# Altium PCB 机器人.PcbDoc (part 9 of 14)
Units mm, origin at the board's own origin, x right, y up, seen from the top; angles counter-clockwise.
Board outline 84 x 74 mm, 2 copper layers (Top Layer, Bottom Layer); 122 components, 143 nets, 23128 pads, 621 vias.
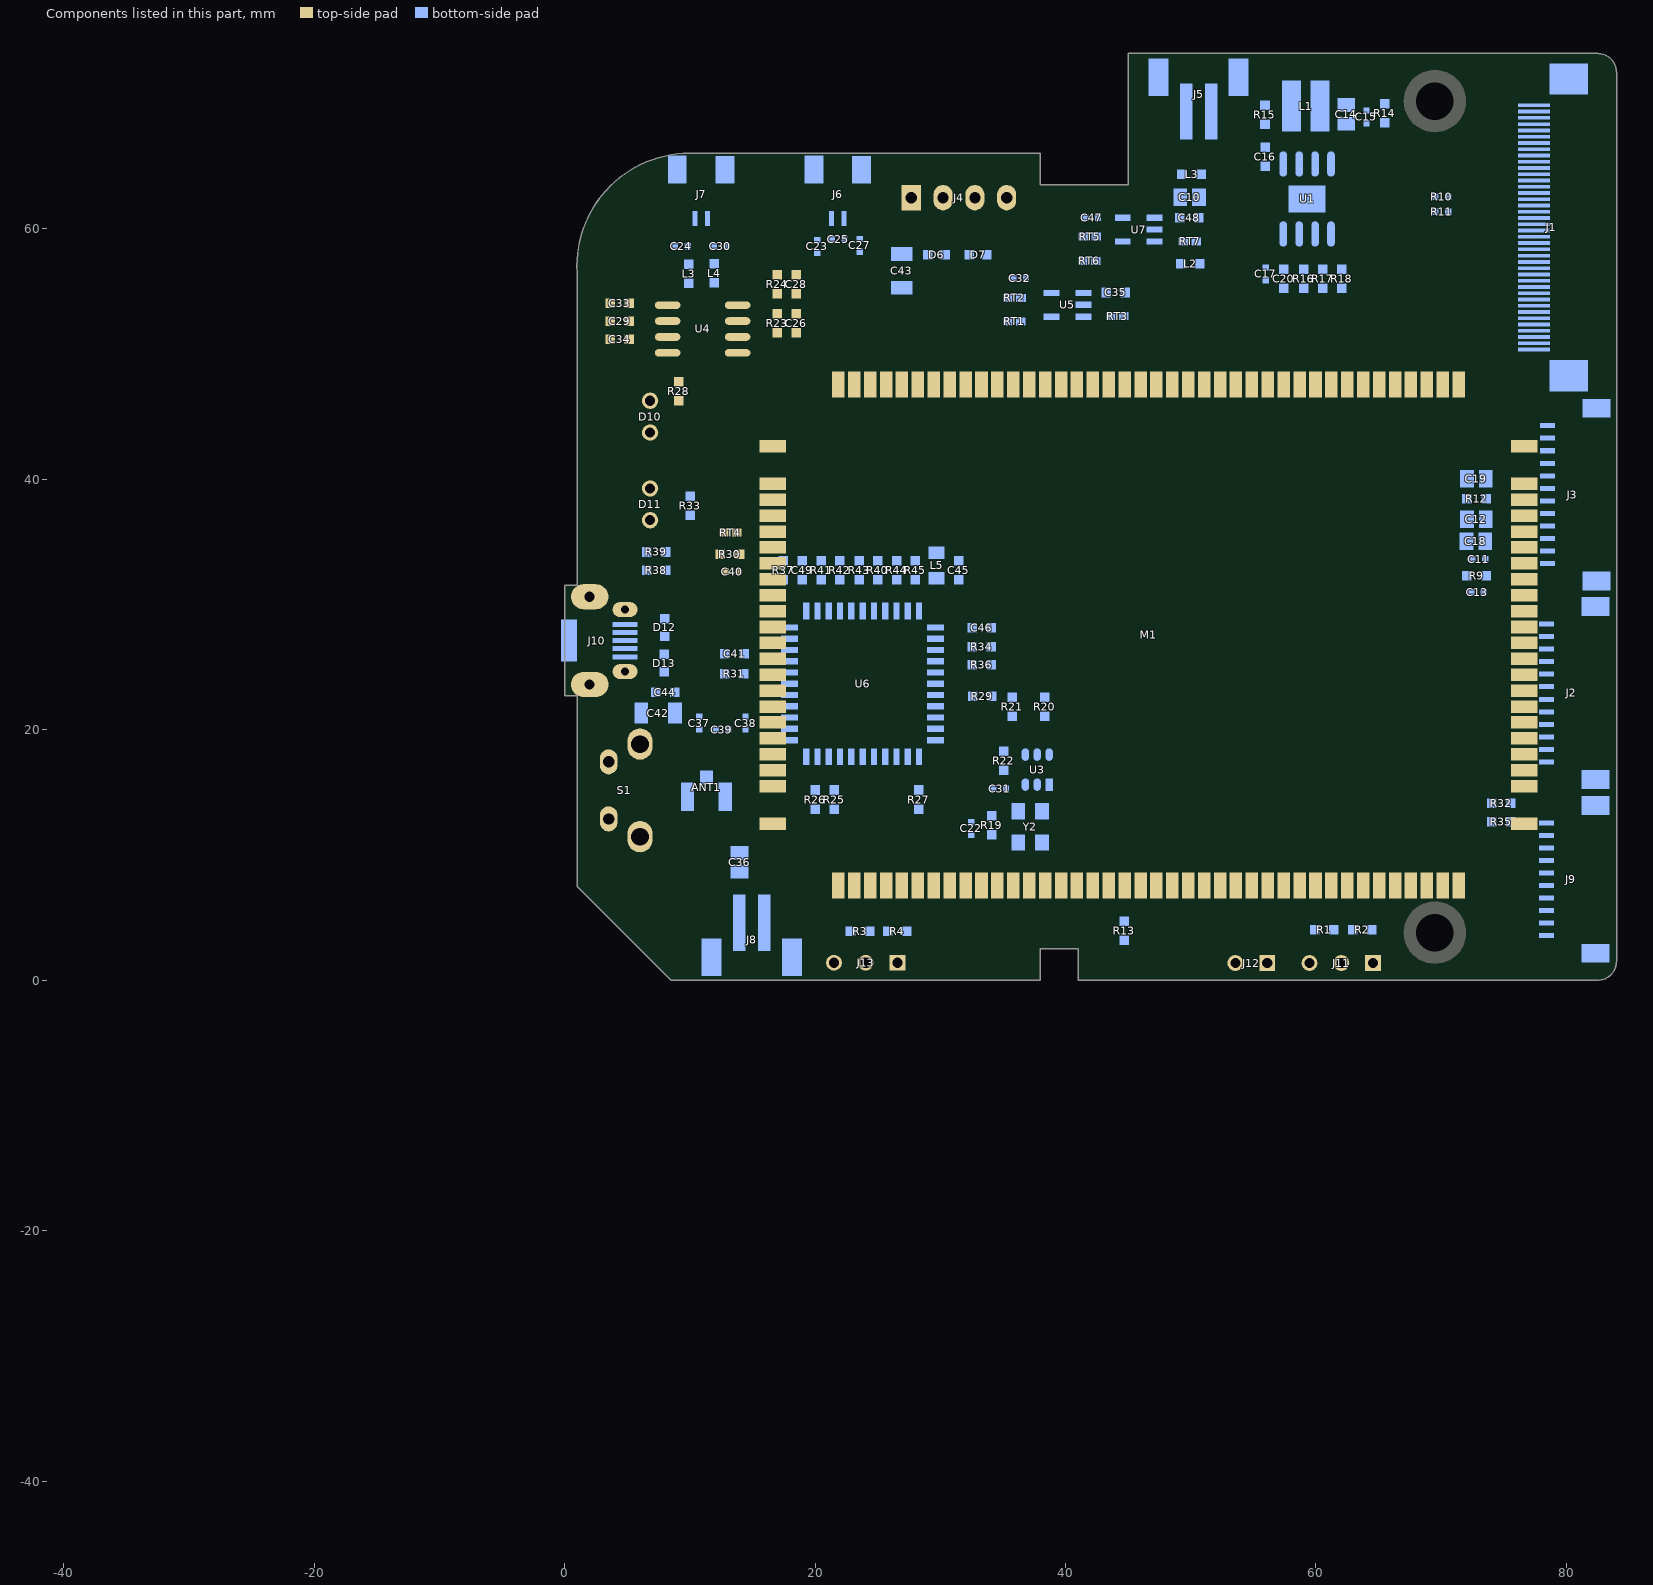
[diagram p9: the components of this part, seen from the top]

## Free pads (board coordinates) (continued)
  round 0 on Mech2: 1(-38.986,-44.128) 1(-38.986,-44.128) 1(-38.986,-44.12) 1(-38.986,-44.12) 1(-38.986,-44.12) 1(-38.986,-44.12) 1(-38.986,-44.12) 1(-38.986,-44.12) 1(-38.986,-44.116) 1(-38.986,-44.116) 1(-38.986,-44.116) 1(-38.986,-44.116) 1(-38.986,-44.116) 1(-38.986,-44.116) 1(-38.986,-44.121) 1(-38.986,-44.121) 1(-38.986,-44.121) 1(-38.986,-44.121) 1(-38.986,-44.121) 1(-38.986,-44.121) 1(-38.986,-44.121) 1(-38.986,-44.121) 1(-38.986,-44.121) 1(-38.986,-44.121) 1(-38.986,-44.121) 1(-38.986,-44.121) 1(-38.986,-44.106) 1(-38.986,-44.106) 1(-38.986,-44.106) 1(-38.985,-44.142) 1(-38.985,-44.142) 1(-38.985,-44.142) 1(-38.985,-44.098) 1(-38.985,-44.098) 1(-38.985,-44.098) 1(-38.985,-44.098) 1(-38.985,-44.098) 1(-38.985,-44.098) 1(-38.985,-44.119) 1(-38.985,-44.119) 1(-38.985,-44.119) 1(-38.985,-44.119) 1(-38.985,-44.119) 1(-38.985,-44.119) 1(-38.985,-44.116) 1(-38.985,-44.116) 1(-38.985,-44.116) 1(-38.985,-44.116) 1(-38.985,-44.116) 1(-38.985,-44.116) 1(-38.985,-44.103) 1(-38.985,-44.103) 1(-38.985,-44.103) 1(-38.985,-44.132) 1(-38.985,-44.132) 1(-38.985,-44.132) 1(-38.985,-44.132) 1(-38.985,-44.132) 1(-38.985,-44.132) 1(-38.985,-44.131) 1(-38.985,-44.131) 1(-38.985,-44.131) 1(-38.985,-44.131) 1(-38.985,-44.131) 1(-38.985,-44.131) 1(-38.985,-44.098) 1(-38.985,-44.098) 1(-38.985,-44.098) 1(-38.985,-44.124) 1(-38.985,-44.124) 1(-38.985,-44.124) 1(-38.985,-44.124) 1(-38.985,-44.124) 1(-38.985,-44.124) 1(-38.985,-44.121) 1(-38.985,-44.121) 1(-38.985,-44.121) 1(-38.985,-44.121) 1(-38.985,-44.121) 1(-38.985,-44.121) 1(-38.985,-44.132) 1(-38.985,-44.132) 1(-38.985,-44.132) 1(-38.985,-44.132) 1(-38.985,-44.132) 1(-38.985,-44.132) 1(-38.985,-44.101) 1(-38.985,-44.101) 1(-38.985,-44.101) 1(-38.985,-44.101) 1(-38.985,-44.101) 1(-38.985,-44.101) 1(-38.985,-44.104) 1(-38.985,-44.104) 1(-38.985,-44.104) 1(-38.985,-44.104) 1(-38.985,-44.104) 1(-38.985,-44.104) 1(-38.985,-44.148) 1(-38.985,-44.148) 1(-38.985,-44.148) 1(-38.985,-44.119) 1(-38.985,-44.119) 1(-38.985,-44.119) 1(-38.985,-44.119) 1(-38.985,-44.119) 1(-38.985,-44.119) 1(-38.985,-44.115) 1(-38.985,-44.115) 1(-38.985,-44.115) 1(-38.985,-44.115) 1(-38.985,-44.115) 1(-38.985,-44.115) 1(-38.985,-44.101) 1(-38.985,-44.101) 1(-38.985,-44.101) 1(-38.985,-44.101) 1(-38.985,-44.101) 1(-38.985,-44.101) 1(-38.985,-44.141) 1(-38.985,-44.141) 1(-38.985,-44.141) 1(-38.985,-44.14) 1(-38.985,-44.14) 1(-38.985,-44.14) 1(-38.985,-44.139) 1(-38.985,-44.139) 1(-38.985,-44.139) 1(-38.985,-44.138) 1(-38.985,-44.138) 1(-38.985,-44.138) 1(-38.985,-44.138) 1(-38.985,-44.138) 1(-38.985,-44.138) 1(-38.985,-44.138) 1(-38.985,-44.138) 1(-38.985,-44.138) 1(-38.985,-44.132) 1(-38.985,-44.132) 1(-38.985,-44.132) 1(-38.985,-44.132) 1(-38.985,-44.132) 1(-38.985,-44.132) 1(-38.985,-44.105) 1(-38.985,-44.105) 1(-38.985,-44.105) 1(-38.985,-44.105) 1(-38.985,-44.105) 1(-38.985,-44.105) 1(-38.985,-44.124) 1(-38.985,-44.124) 1(-38.985,-44.124) 1(-38.985,-44.124) 1(-38.985,-44.124) 1(-38.985,-44.124) 1(-38.985,-44.121) 1(-38.985,-44.121) 1(-38.985,-44.121) 1(-38.985,-44.121) 1(-38.985,-44.121) 1(-38.985,-44.121) 1(-38.985,-44.134) 1(-38.985,-44.134) 1(-38.985,-44.134) 1(-38.985,-44.127) 1(-38.985,-44.127) 1(-38.985,-44.127) 1(-38.985,-44.104) 1(-38.985,-44.104) 1(-38.985,-44.104) 1(-38.985,-44.104) 1(-38.985,-44.104) 1(-38.985,-44.104) 1(-38.985,-44.104) 1(-38.985,-44.104) 1(-38.985,-44.104) 1(-38.985,-44.104) 1(-38.985,-44.104) 1(-38.985,-44.104) 1(-38.985,-44.099) 1(-38.985,-44.099) 1(-38.985,-44.099) 1(-38.985,-44.099) 1(-38.985,-44.099) 1(-38.985,-44.099) 1(-38.985,-44.098) 1(-38.985,-44.098) 1(-38.985,-44.098) 1(-38.985,-44.102) 1(-38.985,-44.102) 1(-38.985,-44.102) 1(-38.985,-44.102) 1(-38.985,-44.102) 1(-38.985,-44.102) 1(-38.985,-44.101) 1(-38.985,-44.101) 1(-38.985,-44.101) 1(-38.985,-44.101) 1(-38.985,-44.101) 1(-38.985,-44.101) 1(-38.985,-44.099) 1(-38.985,-44.099) 1(-38.985,-44.099) 1(-38.985,-44.099) 1(-38.985,-44.099) 1(-38.985,-44.099) 1(-38.985,-44.101) 1(-38.985,-44.101) 1(-38.985,-44.101) 1(-38.985,-44.101) 1(-38.985,-44.101) 1(-38.985,-44.101) 1(-38.985,-44.119) 1(-38.985,-44.119) 1(-38.985,-44.119) 1(-38.985,-44.119) 1(-38.985,-44.119) 1(-38.985,-44.119) 1(-38.985,-44.115) 1(-38.985,-44.115) 1(-38.985,-44.115) 1(-38.985,-44.115) 1(-38.985,-44.115) 1(-38.985,-44.115) 1(-38.984,-44.147) 1(-38.984,-44.147) 1(-38.984,-44.147) 1(-38.984,-44.142) 1(-38.984,-44.142) 1(-38.984,-44.142) 1(-38.984,-44.102) 1(-38.984,-44.102) 1(-38.984,-44.102) 1(-38.984,-44.102) 1(-38.984,-44.102) 1(-38.984,-44.102) 1(-38.984,-44.144) 1(-38.984,-44.144) 1(-38.984,-44.144) 1(-38.984,-44.124) 1(-38.984,-44.124) 1(-38.984,-44.124) 1(-38.984,-44.124) 1(-38.984,-44.124) 1(-38.984,-44.124) 1(-38.984,-44.12) 1(-38.984,-44.12) 1(-38.984,-44.12) 1(-38.984,-44.12) 1(-38.984,-44.12) 1(-38.984,-44.12) 1(-38.984,-44.102) 1(-38.984,-44.102) 1(-38.984,-44.102) 1(-38.984,-44.102) 1(-38.984,-44.102) 1(-38.984,-44.102) 1(-38.984,-44.101) 1(-38.984,-44.101) 1(-38.984,-44.101) 1(-38.984,-44.101) 1(-38.984,-44.101) 1(-38.984,-44.101) 1(-38.984,-44.104) 1(-38.984,-44.104) 1(-38.984,-44.104) 1(-38.984,-44.104) 1(-38.984,-44.104) 1(-38.984,-44.104) 1(-38.984,-44.104) 1(-38.984,-44.104) 1(-38.984,-44.104) 1(-38.984,-44.104) 1(-38.984,-44.104) 1(-38.984,-44.104) 1(-38.984,-44.119) 1(-38.984,-44.119) 1(-38.984,-44.119) 1(-38.984,-44.119) 1(-38.984,-44.119) 1(-38.984,-44.119) 1(-38.984,-44.115) 1(-38.984,-44.115) 1(-38.984,-44.115) 1(-38.984,-44.115) 1(-38.984,-44.115) 1(-38.984,-44.115) 1(-38.984,-44.108) 1(-38.984,-44.108) 1(-38.984,-44.108) 1(-38.984,-44.108) 1(-38.984,-44.108) 1(-38.984,-44.108) 1(-38.984,-44.107) 1(-38.984,-44.107) 1(-38.984,-44.107) 1(-38.984,-44.106) 1(-38.984,-44.106) 1(-38.984,-44.106) 1(-38.984,-44.105) 1(-38.984,-44.105) 1(-38.984,-44.105) 1(-38.984,-44.105) 1(-38.984,-44.105) 1(-38.984,-44.105) 1(-38.984,-44.1) 1(-38.984,-44.1) 1(-38.984,-44.1) 1(-38.984,-44.1) 1(-38.984,-44.1) 1(-38.984,-44.1) 1(-38.984,-44.099) 1(-38.984,-44.099) 1(-38.984,-44.099) 1(-38.984,-44.099) 1(-38.984,-44.099) 1(-38.984,-44.099) 1(-38.984,-44.141) 1(-38.984,-44.141) 1(-38.984,-44.141) 1(-38.984,-44.141) 1(-38.984,-44.141) 1(-38.984,-44.141) 1(-38.984,-44.099) 1(-38.984,-44.099) 1(-38.984,-44.099) 1(-38.984,-44.099) 1(-38.984,-44.099) 1(-38.984,-44.099) 1(-38.984,-44.098) 1(-38.984,-44.098) 1(-38.984,-44.098) 1(-38.984,-44.123) 1(-38.984,-44.123) 1(-38.984,-44.123) 1(-38.984,-44.123) 1(-38.984,-44.123) 1(-38.984,-44.123) 1(-38.984,-44.12) 1(-38.984,-44.12) 1(-38.984,-44.12) 1(-38.984,-44.12) 1(-38.984,-44.12) 1(-38.984,-44.12) 1(-38.984,-44.102) 1(-38.984,-44.102) 1(-38.984,-44.102) 1(-38.984,-44.102) 1(-38.984,-44.102) 1(-38.984,-44.102) 1(-38.984,-44.101) 1(-38.984,-44.101) 1(-38.984,-44.101) 1(-38.984,-44.101) 1(-38.984,-44.101) 1(-38.984,-44.101) 1(-38.984,-44.126) 1(-38.984,-44.126) 1(-38.984,-44.126) 1(-38.984,-44.126) 1(-38.984,-44.126) 1(-38.984,-44.126) 1(-38.984,-44.126) 1(-38.984,-44.126) 1(-38.984,-44.126) 1(-38.984,-44.126) 1(-38.984,-44.126) 1(-38.984,-44.126) 1(-38.984,-44.131) 1(-38.984,-44.131) 1(-38.984,-44.131) 1(-38.984,-44.119) 1(-38.984,-44.119) 1(-38.984,-44.119) 1(-38.984,-44.119) 1(-38.984,-44.119) 1(-38.984,-44.119) 1(-38.984,-44.115) 1(-38.984,-44.115) 1(-38.984,-44.115) 1(-38.984,-44.115) 1(-38.984,-44.115) 1(-38.984,-44.115) 1(-38.984,-44.138) 1(-38.984,-44.138) 1(-38.984,-44.138) 1(-38.984,-44.138) 1(-38.984,-44.138) 1(-38.984,-44.138) 1(-38.984,-44.101) 1(-38.984,-44.101) 1(-38.984,-44.101) 1(-38.984,-44.101) 1(-38.984,-44.101) 1(-38.984,-44.101) 1(-38.984,-44.139) 1(-38.984,-44.139) 1(-38.984,-44.139) 1(-38.984,-44.139) 1(-38.984,-44.139) 1(-38.984,-44.139) 1(-38.984,-44.105) 1(-38.984,-44.105) 1(-38.984,-44.105) 1(-38.984,-44.105) 1(-38.984,-44.105) 1(-38.984,-44.105) 1(-38.984,-44.123) 1(-38.984,-44.123) 1(-38.984,-44.123) 1(-38.984,-44.123) 1(-38.984,-44.123) 1(-38.984,-44.123) 1(-38.984,-44.12) 1(-38.984,-44.12) 1(-38.984,-44.12) 1(-38.984,-44.12) 1(-38.984,-44.12) 1(-38.984,-44.12) 1(-38.984,-44.103) 1(-38.984,-44.103) 1(-38.984,-44.103) 1(-38.983,-44.101) 1(-38.983,-44.101) 1(-38.983,-44.101) 1(-38.983,-44.101) 1(-38.983,-44.101) 1(-38.983,-44.101) 1(-38.983,-44.126) 1(-38.983,-44.126) 1(-38.983,-44.126) 1(-38.983,-44.126) 1(-38.983,-44.126) 1(-38.983,-44.126) 1(-38.983,-44.126) 1(-38.983,-44.126) 1(-38.983,-44.126) 1(-38.983,-44.126) 1(-38.983,-44.126) 1(-38.983,-44.126) 1(-38.983,-44.139) 1(-38.983,-44.139) 1(-38.983,-44.139) 1(-38.983,-44.139) 1(-38.983,-44.139) 1(-38.983,-44.139) 1(-38.983,-44.101) 1(-38.983,-44.101) 1(-38.983,-44.101) 1(-38.983,-44.101) 1(-38.983,-44.101) 1(-38.983,-44.101) 1(-38.983,-44.101) 1(-38.983,-44.101) 1(-38.983,-44.101) 1(-38.983,-44.099) 1(-38.983,-44.099) 1(-38.983,-44.099) 1(-38.983,-44.099) 1(-38.983,-44.099) 1(-38.983,-44.099) 1(-38.983,-44.098) 1(-38.983,-44.098) 1(-38.983,-44.098) 1(-38.983,-44.119) 1(-38.983,-44.119) 1(-38.983,-44.119) 1(-38.983,-44.119) 1(-38.983,-44.119) 1(-38.983,-44.119) 1(-38.983,-44.115) 1(-38.983,-44.115) 1(-38.983,-44.115) 1(-38.983,-44.115) 1(-38.983,-44.115) 1(-38.983,-44.115) 1(-38.983,-44.109) 1(-38.983,-44.109) 1(-38.983,-44.109) 1(-38.983,-44.109) 1(-38.983,-44.109) 1(-38.983,-44.109) 1(-38.983,-44.105) 1(-38.983,-44.105) 1(-38.983,-44.105) 1(-38.983,-44.105) 1(-38.983,-44.105) 1(-38.983,-44.105) 1(-38.983,-44.105) 1(-38.983,-44.105) 1(-38.983,-44.105) 1(-38.983,-44.099) 1(-38.983,-44.099) 1(-38.983,-44.099) 1(-38.983,-44.099) 1(-38.983,-44.099) 1(-38.983,-44.099) 1(-38.983,-44.128) 1(-38.983,-44.128) 1(-38.983,-44.128) 1(-38.983,-44.128) 1(-38.983,-44.128) 1(-38.983,-44.128) 1(-38.983,-44.126) 1(-38.983,-44.126) 1(-38.983,-44.126) 1(-38.983,-44.126) 1(-38.983,-44.126) 1(-38.983,-44.126) 1(-38.983,-44.125) 1(-38.983,-44.125) 1(-38.983,-44.125) 1(-38.983,-44.125) 1(-38.983,-44.125) 1(-38.983,-44.125) 1(-38.983,-44.123) 1(-38.983,-44.123) 1(-38.983,-44.123) 1(-38.983,-44.123) 1(-38.983,-44.123) 1(-38.983,-44.123) 1(-38.983,-44.12) 1(-38.983,-44.12) 1(-38.983,-44.12) 1(-38.983,-44.12) 1(-38.983,-44.12) 1(-38.983,-44.12) 1(-38.983,-44.142) 1(-38.983,-44.142) 1(-38.983,-44.142) 1(-38.983,-44.142) 1(-38.983,-44.142) 1(-38.983,-44.142) 1(-38.983,-44.132) 1(-38.983,-44.132) 1(-38.983,-44.132) 1(-38.983,-44.132) 1(-38.983,-44.132) 1(-38.983,-44.132) 1(-38.983,-44.14) 1(-38.983,-44.14) 1(-38.983,-44.14) 1(-38.983,-44.14) 1(-38.983,-44.14) 1(-38.983,-44.14) 1(-38.983,-44.118) 1(-38.983,-44.118) 1(-38.983,-44.118) 1(-38.983,-44.118) 1(-38.983,-44.118) 1(-38.983,-44.118) 1(-38.983,-44.114) 1(-38.983,-44.114) 1(-38.983,-44.114) 1(-38.983,-44.114) 1(-38.983,-44.114) 1(-38.983,-44.114) 1(-38.983,-44.134) 1(-38.983,-44.134) 1(-38.983,-44.134) 1(-38.983,-44.132) 1(-38.983,-44.132) 1(-38.983,-44.132) 1(-38.983,-44.112) 1(-38.983,-44.112) 1(-38.983,-44.112) 1(-38.983,-44.112) 1(-38.983,-44.112) 1(-38.983,-44.112) 1(-38.983,-44.134) 1(-38.983,-44.134) 1(-38.983,-44.134) 1(-38.983,-44.14) 1(-38.983,-44.14) 1(-38.983,-44.14) 1(-38.983,-44.14) 1(-38.983,-44.14) 1(-38.983,-44.14) 1(-38.983,-44.139) 1(-38.983,-44.139) 1(-38.983,-44.139) 1(-38.983,-44.139) 1(-38.983,-44.139) 1(-38.983,-44.139) 1(-38.983,-44.138) 1(-38.983,-44.138) 1(-38.983,-44.138) 1(-38.983,-44.138) 1(-38.983,-44.138) 1(-38.983,-44.138) 1(-38.983,-44.122) 1(-38.983,-44.122) 1(-38.983,-44.122) 1(-38.983,-44.122) 1(-38.983,-44.122) 1(-38.983,-44.122) 1(-38.983,-44.12) 1(-38.983,-44.12) 1(-38.983,-44.12) 1(-38.983,-44.12) 1(-38.983,-44.12) 1(-38.983,-44.12) 1(-38.983,-44.124) 1(-38.983,-44.124) 1(-38.983,-44.124) 1(-38.983,-44.124) 1(-38.983,-44.124) 1(-38.983,-44.124) 1(-38.983,-44.112) 1(-38.983,-44.112) 1(-38.983,-44.112) 1(-38.983,-44.112) 1(-38.983,-44.112) 1(-38.983,-44.112) 1(-38.983,-44.106) 1(-38.983,-44.106) 1(-38.983,-44.106) 1(-38.983,-44.105) 1(-38.983,-44.105) 1(-38.983,-44.105) 1(-38.983,-44.129) 1(-38.983,-44.129) 1(-38.983,-44.129) 1(-38.983,-44.129) 1(-38.983,-44.129) 1(-38.983,-44.129) 1(-38.983,-44.125) 1(-38.983,-44.125) 1(-38.983,-44.125) 1(-38.983,-44.125) 1(-38.983,-44.125) 1(-38.983,-44.125) 1(-38.983,-44.109) 1(-38.983,-44.109) 1(-38.983,-44.109) 1(-38.983,-44.109) 1(-38.983,-44.109) 1(-38.983,-44.109) 1(-38.983,-44.108) 1(-38.983,-44.108) 1(-38.983,-44.108) 1(-38.983,-44.112) 1(-38.983,-44.112) 1(-38.983,-44.112) 1(-38.983,-44.112) 1(-38.983,-44.112) 1(-38.983,-44.112) 1(-38.983,-44.141) 1(-38.983,-44.141) 1(-38.983,-44.141) 1(-38.983,-44.141) 1(-38.983,-44.141) 1(-38.983,-44.141) 1(-38.983,-44.14) 1(-38.983,-44.14) 1(-38.983,-44.14) 1(-38.983,-44.14) 1(-38.983,-44.14) 1(-38.983,-44.14) 1(-38.983,-44.108) 1(-38.983,-44.108) 1(-38.983,-44.108) 1(-38.983,-44.108) 1(-38.983,-44.108) 1(-38.983,-44.108) 1(-38.983,-44.111) 1(-38.983,-44.111) 1(-38.983,-44.111) 1(-38.983,-44.111) 1(-38.983,-44.111) 1(-38.983,-44.111) 1(-38.982,-44.138) 1(-38.982,-44.138) 1(-38.982,-44.138) 1(-38.982,-44.138) 1(-38.982,-44.138) 1(-38.982,-44.138) 1(-38.982,-44.111) 1(-38.982,-44.111) 1(-38.982,-44.111) 1(-38.982,-44.111) 1(-38.982,-44.111) 1(-38.982,-44.111) 1(-38.982,-44.112) 1(-38.982,-44.112) 1(-38.982,-44.112) 1(-38.982,-44.112) 1(-38.982,-44.112) 1(-38.982,-44.112) 1(-38.982,-44.118) 1(-38.982,-44.118) 1(-38.982,-44.118) 1(-38.982,-44.118) 1(-38.982,-44.118) 1(-38.982,-44.118) 1(-38.982,-44.114) 1(-38.982,-44.114) 1(-38.982,-44.114) 1(-38.982,-44.114) 1(-38.982,-44.114) 1(-38.982,-44.114) 1(-38.982,-44.103) 1(-38.982,-44.103) 1(-38.982,-44.103) 1(-38.982,-44.103) 1(-38.982,-44.103) 1(-38.982,-44.103) 1(-38.982,-44.102) 1(-38.982,-44.102) 1(-38.982,-44.102) 1(-38.982,-44.102) 1(-38.982,-44.102) 1(-38.982,-44.102) 1(-38.982,-44.123) 1(-38.982,-44.123) 1(-38.982,-44.123) 1(-38.982,-44.123) 1(-38.982,-44.123) 1(-38.982,-44.123) 1(-38.982,-44.121) 1(-38.982,-44.121) 1(-38.982,-44.121) 1(-38.982,-44.121) 1(-38.982,-44.121) 1(-38.982,-44.121) 1(-38.982,-44.12) 1(-38.982,-44.12) 1(-38.982,-44.12) 1(-38.982,-44.12) 1(-38.982,-44.12) 1(-38.982,-44.12) 1(-38.982,-44.138) 1(-38.982,-44.138) 1(-38.982,-44.138) 1(-38.982,-44.138) 1(-38.982,-44.138) 1(-38.982,-44.138) 1(-38.982,-44.109) 1(-38.982,-44.109) 1(-38.982,-44.109) 1(-38.982,-44.109) 1(-38.982,-44.109) 1(-38.982,-44.109) 1(-38.982,-44.103) 1(-38.982,-44.103) 1(-38.982,-44.103) 1(-38.982,-44.097) 1(-38.982,-44.097) 1(-38.982,-44.097) 1(-38.982,-44.101) 1(-38.982,-44.101) 1(-38.982,-44.101) 1(-38.982,-44.119) 1(-38.982,-44.119) 1(-38.982,-44.119) 1(-38.982,-44.119) 1(-38.982,-44.119) 1(-38.982,-44.119) 1(-38.982,-44.119) 1(-38.982,-44.119) 1(-38.982,-44.119) 1(-38.982,-44.119) 1(-38.982,-44.119) 1(-38.982,-44.119) 1(-38.982,-44.101) 1(-38.982,-44.101) 1(-38.982,-44.101) 1(-38.982,-44.101) 1(-38.982,-44.101) 1(-38.982,-44.101) 1(-38.982,-44.15) 1(-38.982,-44.15) 1(-38.982,-44.15) 1(-38.982,-44.13) 1(-38.982,-44.13) 1(-38.982,-44.13) 1(-38.982,-44.114) 1(-38.982,-44.114) 1(-38.982,-44.114) 1(-38.982,-44.114) 1(-38.982,-44.114) 1(-38.982,-44.114) 1(-38.982,-44.106) 1(-38.982,-44.106) 1(-38.982,-44.106) 1(-38.982,-44.106) 1(-38.982,-44.106) 1(-38.982,-44.106) 1(-38.982,-44.111) 1(-38.982,-44.111) 1(-38.982,-44.111) 1(-38.982,-44.111) 1(-38.982,-44.111) 1(-38.982,-44.111) 1(-38.982,-44.119) 1(-38.982,-44.119) 1(-38.982,-44.119) 1(-38.982,-44.119) 1(-38.982,-44.119) 1(-38.982,-44.119) 1(-38.982,-44.114) 1(-38.982,-44.114) 1(-38.982,-44.114) 1(-38.982,-44.114) 1(-38.982,-44.114) 1(-38.982,-44.114) 1(-38.982,-44.114) 1(-38.982,-44.114) 1(-38.982,-44.114) 1(-38.982,-44.114) 1(-38.982,-44.114) 1(-38.982,-44.114) 1(-38.981,-44.113) 1(-38.981,-44.113) 1(-38.981,-44.113) 1(-38.981,-44.113) 1(-38.981,-44.113) 1(-38.981,-44.113) 1(-38.981,-44.113) 1(-38.981,-44.113) 1(-38.981,-44.113) 1(-38.981,-44.113) 1(-38.981,-44.113) 1(-38.981,-44.113) 1(-38.981,-44.102) 1(-38.981,-44.102) 1(-38.981,-44.102) 1(-38.981,-44.102) 1(-38.981,-44.102) 1(-38.981,-44.102) 1(-38.981,-44.102) 1(-38.981,-44.102) 1(-38.981,-44.102) 1(-38.981,-44.102) 1(-38.981,-44.102) 1(-38.981,-44.102) 1(-38.981,-44.111) 1(-38.981,-44.111) 1(-38.981,-44.111) 1(-38.981,-44.111) 1(-38.981,-44.111) 1(-38.981,-44.111) 1(-38.981,-44.113) 1(-38.981,-44.113) 1(-38.981,-44.113) 1(-38.981,-44.113) 1(-38.981,-44.113) 1(-38.981,-44.113) 1(-38.981,-44.113) 1(-38.981,-44.113) 1(-38.981,-44.113) 1(-38.981,-44.113) 1(-38.981,-44.113) 1(-38.981,-44.113) 1(-38.981,-44.147) 1(-38.981,-44.147) 1(-38.981,-44.147) 1(-38.981,-44.144) 1(-38.981,-44.144) 1(-38.981,-44.144) 1(-38.981,-44.108) 1(-38.981,-44.108) 1(-38.981,-44.108) 1(-38.981,-44.108) 1(-38.981,-44.108) 1(-38.981,-44.108) 1(-38.981,-44.108) 1(-38.981,-44.108) 1(-38.981,-44.108) 1(-38.981,-44.106) 1(-38.981,-44.106) 1(-38.981,-44.106) 1(-38.981,-44.106) 1(-38.981,-44.106) 1(-38.981,-44.106) 1(-38.981,-44.105) 1(-38.981,-44.105) 1(-38.981,-44.105) 1(-38.981,-44.105) 1(-38.981,-44.105) 1(-38.981,-44.105) 1(-38.981,-44.104) 1(-38.981,-44.104) 1(-38.981,-44.104) 1(-38.981,-44.104) 1(-38.981,-44.104) 1(-38.981,-44.104) 1(-38.981,-44.106) 1(-38.981,-44.106) 1(-38.981,-44.106) 1(-38.981,-44.106) 1(-38.981,-44.106) 1(-38.981,-44.106) 1(-38.981,-44.114) 1(-38.981,-44.114) 1(-38.981,-44.114) 1(-38.981,-44.114) 1(-38.981,-44.114) 1(-38.981,-44.114) 1(-38.981,-44.114) 1(-38.981,-44.114) 1(-38.981,-44.114) 1(-38.981,-44.114) 1(-38.981,-44.114) 1(-38.981,-44.114) 1(-38.981,-44.113) 1(-38.981,-44.113) 1(-38.981,-44.113) 1(-38.981,-44.113) 1(-38.981,-44.113) 1(-38.981,-44.113) 1(-38.981,-44.113) 1(-38.981,-44.113) 1(-38.981,-44.113) 1(-38.981,-44.113) 1(-38.981,-44.113) 1(-38.981,-44.113) 1(-38.981,-44.106) 1(-38.981,-44.106) 1(-38.981,-44.106) 1(-38.981,-44.106) 1(-38.981,-44.106) 1(-38.981,-44.106) 1(-38.98,-44.109) 1(-38.98,-44.109) 1(-38.98,-44.109) 1(-38.98,-44.109) 1(-38.98,-44.109) 1(-38.98,-44.109) 1(-38.98,-44.095) 1(-38.98,-44.095) 1(-38.98,-44.095) 1(-38.98,-44.107) 1(-38.98,-44.107) 1(-38.98,-44.107) 1(-38.98,-44.109) 1(-38.98,-44.109) 1(-38.98,-44.109) 1(-38.98,-44.109) 1(-38.98,-44.109) 1(-38.98,-44.109) 1(-38.98,-44.108) 1(-38.98,-44.108) 1(-38.98,-44.108) 1(-38.98,-44.106) 1(-38.98,-44.106) 1(-38.98,-44.106) 1(-38.98,-44.106) 1(-38.98,-44.106) 1(-38.98,-44.106) 1(-38.98,-44.105) 1(-38.98,-44.105) 1(-38.98,-44.105) 1(-38.98,-44.105) 1(-38.98,-44.105) 1(-38.98,-44.105) 1(-38.98,-44.104) 1(-38.98,-44.104) 1(-38.98,-44.104) 1(-38.98,-44.104) 1(-38.98,-44.104) 1(-38.98,-44.104) 1(-38.98,-44.1) 1(-38.98,-44.1) 1(-38.98,-44.1) 1(-38.98,-44.103) 1(-38.98,-44.103) 1(-38.98,-44.103) 1(-38.98,-44.11) 1(-38.98,-44.11) 1(-38.98,-44.11) 1(-38.98,-44.139) 1(-38.98,-44.139) 1(-38.98,-44.139) 1(-38.98,-44.141) 1(-38.98,-44.141) 1(-38.98,-44.141) 1(-38.98,-44.093) 1(-38.98,-44.093) 1(-38.98,-44.093) 1(-38.98,-44.148) 1(-38.98,-44.148) 1(-38.98,-44.148) 1(-38.979,-44.108) 1(-38.979,-44.108) 1(-38.979,-44.108) 1(-38.979,-44.108) 1(-38.979,-44.108) 1(-38.979,-44.108) 1(-38.979,-44.108) 1(-38.979,-44.108) 1(-38.979,-44.108) 1(-38.979,-44.105) 1(-38.979,-44.105) 1(-38.979,-44.105) 1(-38.979,-44.094) 1(-38.979,-44.094) 1(-38.979,-44.094) 1(-38.979,-44.101) 1(-38.979,-44.101) 1(-38.979,-44.101) 1(-38.979,-44.101) 1(-38.979,-44.101) 1(-38.979,-44.101) 1(-38.979,-44.1) 1(-38.979,-44.1) 1(-38.979,-44.1) 1(-38.979,-44.1) 1(-38.979,-44.1) 1(-38.979,-44.1) 1(-38.979,-44.103) 1(-38.979,-44.103) 1(-38.979,-44.103) 1(-38.979,-44.103) 1(-38.979,-44.103) 1(-38.979,-44.103) 1(-38.979,-44.101) 1(-38.979,-44.101) 1(-38.979,-44.101) 1(-38.979,-44.101) 1(-38.979,-44.101) 1(-38.979,-44.101) 1(-38.979,-44.103) 1(-38.979,-44.103) 1(-38.979,-44.103) 1(-38.979,-44.103) 1(-38.979,-44.103) 1(-38.979,-44.103) 1(-38.979,-44.126) 1(-38.979,-44.126) 1(-38.979,-44.126) 1(-38.979,-44.134) 1(-38.979,-44.134) 1(-38.979,-44.134) 1(-38.979,-44.134) 1(-38.979,-44.134) 1(-38.979,-44.134) 1(-38.979,-44.127) 1(-38.979,-44.127) 1(-38.979,-44.127) 1(-38.979,-44.127) 1(-38.979,-44.127) 1(-38.979,-44.127) 1(-38.979,-44.124) 1(-38.979,-44.124) 1(-38.979,-44.124) 1(-38.979,-44.15) 1(-38.979,-44.15) 1(-38.979,-44.15) 1(-38.979,-44.12) 1(-38.979,-44.12) 1(-38.979,-44.12) 1(-38.979,-44.12) 1(-38.979,-44.12) 1(-38.979,-44.12) 1(-38.979,-44.116) 1(-38.979,-44.116) 1(-38.979,-44.116) 1(-38.979,-44.116) 1(-38.979,-44.116) 1(-38.979,-44.116) 1(-38.979,-44.14) 1(-38.979,-44.14) 1(-38.979,-44.14) 1(-38.978,-44.121) 1(-38.978,-44.121) 1(-38.978,-44.121) 1(-38.978,-44.114) 1(-38.978,-44.114) 1(-38.978,-44.114) 1(-38.978,-44.105) 1(-38.978,-44.105) 1(-38.978,-44.105) 1(-38.978,-44.105) 1(-38.978,-44.105) 1(-38.978,-44.105) 1(-38.978,-44.105) 1(-38.978,-44.105) 1(-38.978,-44.105) 1(-38.978,-44.112) 1(-38.978,-44.112) 1(-38.978,-44.112) 1(-38.978,-44.098) 1(-38.978,-44.098) 1(-38.978,-44.098) 1(-38.978,-44.136) 1(-38.978,-44.136) 1(-38.978,-44.136) 1(-38.978,-44.106) 1(-38.978,-44.106) 1(-38.978,-44.106) 1(-38.978,-44.133) 1(-38.978,-44.133) 1(-38.978,-44.133) 1(-38.978,-44.133) 1(-38.978,-44.133) 1(-38.978,-44.133) 1(-38.978,-44.123) 1(-38.978,-44.123) 1(-38.978,-44.123) 1(-38.978,-44.123) 1(-38.978,-44.123) 1(-38.978,-44.123) 1(-38.978,-44.119) 1(-38.978,-44.119) 1(-38.978,-44.119) 1(-38.978,-44.117) 1(-38.978,-44.117) 1(-38.978,-44.117) 1(-38.978,-44.1) 1(-38.978,-44.1) 1(-38.978,-44.1) 1(-38.978,-44.115) 1(-38.978,-44.115) 1(-38.978,-44.115) 1(-38.978,-44.11) 1(-38.978,-44.11) 1(-38.978,-44.11) 1(-38.978,-44.11) 1(-38.978,-44.11) 1(-38.978,-44.11) 1(-38.978,-44.105) 1(-38.978,-44.105) 1(-38.978,-44.105) 1(-38.978,-44.105) 1(-38.978,-44.105) 1(-38.978,-44.105) 1(-38.978,-44.132) 1(-38.978,-44.132) 1(-38.978,-44.132) 1(-38.978,-44.132) 1(-38.978,-44.132) 1(-38.978,-44.132) 1(-38.978,-44.117) 1(-38.978,-44.117) 1(-38.978,-44.117) 1(-38.978,-44.117) 1(-38.978,-44.117) 1(-38.978,-44.117) 1(-38.978,-44.105) 1(-38.978,-44.105) 1(-38.978,-44.105) 1(-38.978,-44.105) 1(-38.978,-44.105) 1(-38.978,-44.105) 1(-38.977,-44.145) 1(-38.977,-44.145) 1(-38.977,-44.145) 1(-38.977,-44.107) 1(-38.977,-44.107) 1(-38.977,-44.107) 1(-38.977,-44.107) 1(-38.977,-44.107) 1(-38.977,-44.107) 1(-38.977,-44.106) 1(-38.977,-44.106) 1(-38.977,-44.106) 1(-38.977,-44.106) 1(-38.977,-44.106) 1(-38.977,-44.106) 1(-38.977,-44.105) 1(-38.977,-44.105) 1(-38.977,-44.105) 1(-38.977,-44.105) 1(-38.977,-44.105) 1(-38.977,-44.105) 1(-38.977,-44.101) 1(-38.977,-44.101) 1(-38.977,-44.101) 1(-38.977,-44.13) 1(-38.977,-44.13) 1(-38.977,-44.13) 1(-38.977,-44.13) 1(-38.977,-44.13) 1(-38.977,-44.13) 1(-38.977,-44.115) 1(-38.977,-44.115) 1(-38.977,-44.115) 1(-38.977,-44.115) 1(-38.977,-44.115) 1(-38.977,-44.115) 1(-38.977,-44.11) 1(-38.977,-44.11) 1(-38.977,-44.11) 1(-38.977,-44.107) 1(-38.977,-44.107) 1(-38.977,-44.107) 1(-38.976,-44.099) 1(-38.976,-44.099) 1(-38.976,-44.099) 1(-38.976,-44.114) 1(-38.976,-44.114) 1(-38.976,-44.114) 1(-38.976,-44.106) 1(-38.976,-44.106) 1(-38.976,-44.106) 1(-38.976,-44.105) 1(-38.976,-44.105) 1(-38.976,-44.105) 1(-38.976,-44.105) 1(-38.976,-44.105) 1(-38.976,-44.105) 1(-38.976,-44.103) 1(-38.976,-44.103) 1(-38.976,-44.103) 1(-38.976,-44.105) 1(-38.976,-44.105) 1(-38.976,-44.105) 1(-38.976,-44.105) 1(-38.976,-44.105) 1(-38.976,-44.105) 1(-38.976,-44.103) 1(-38.976,-44.103) 1(-38.976,-44.103) 1(-38.976,-44.103) 1(-38.976,-44.103) 1(-38.976,-44.103) 1(-38.976,-44.139) 1(-38.976,-44.139) 1(-38.976,-44.139) 1(-38.976,-44.126) 1(-38.976,-44.126) 1(-38.976,-44.126) 1(-38.976,-44.101) 1(-38.976,-44.101) 1(-38.976,-44.101) 1(-38.975,-44.103) 1(-38.975,-44.103) 1(-38.975,-44.103) 1(-38.975,-44.107) 1(-38.975,-44.107) 1(-38.975,-44.107) 1(-38.975,-44.105) 1(-38.975,-44.105) 1(-38.975,-44.105) 1(-38.975,-44.11) 1(-38.975,-44.11) 1(-38.975,-44.11) 1(-38.974,-44.15) 1(-38.974,-44.15) 1(-38.974,-44.15) 1(-38.974,-44.146) 1(-38.974,-44.146) 1(-38.974,-44.146) 1(-38.974,-44.113) 1(-38.974,-44.113) 1(-38.974,-44.113) 1(-38.974,-44.094) 1(-38.974,-44.094) 1(-38.974,-44.094) 1(-38.974,-44.118) 1(-38.974,-44.118) 1(-38.974,-44.118) 1(-38.974,-44.126) 1(-38.974,-44.126) 1(-38.974,-44.126) 1(-38.974,-44.122) 1(-38.974,-44.122) 1(-38.974,-44.122) 1(-38.974,-44.098) 1(-38.974,-44.098) 1(-38.974,-44.098) 1(-38.974,-44.134) 1(-38.974,-44.134) 1(-38.974,-44.134) 1(-38.974,-44.14) 1(-38.974,-44.14) 1(-38.974,-44.14) 1(-38.974,-44.129) 1(-38.974,-44.129) 1(-38.974,-44.129)